# KiCad board jamboard.kicad_pcb (continued)
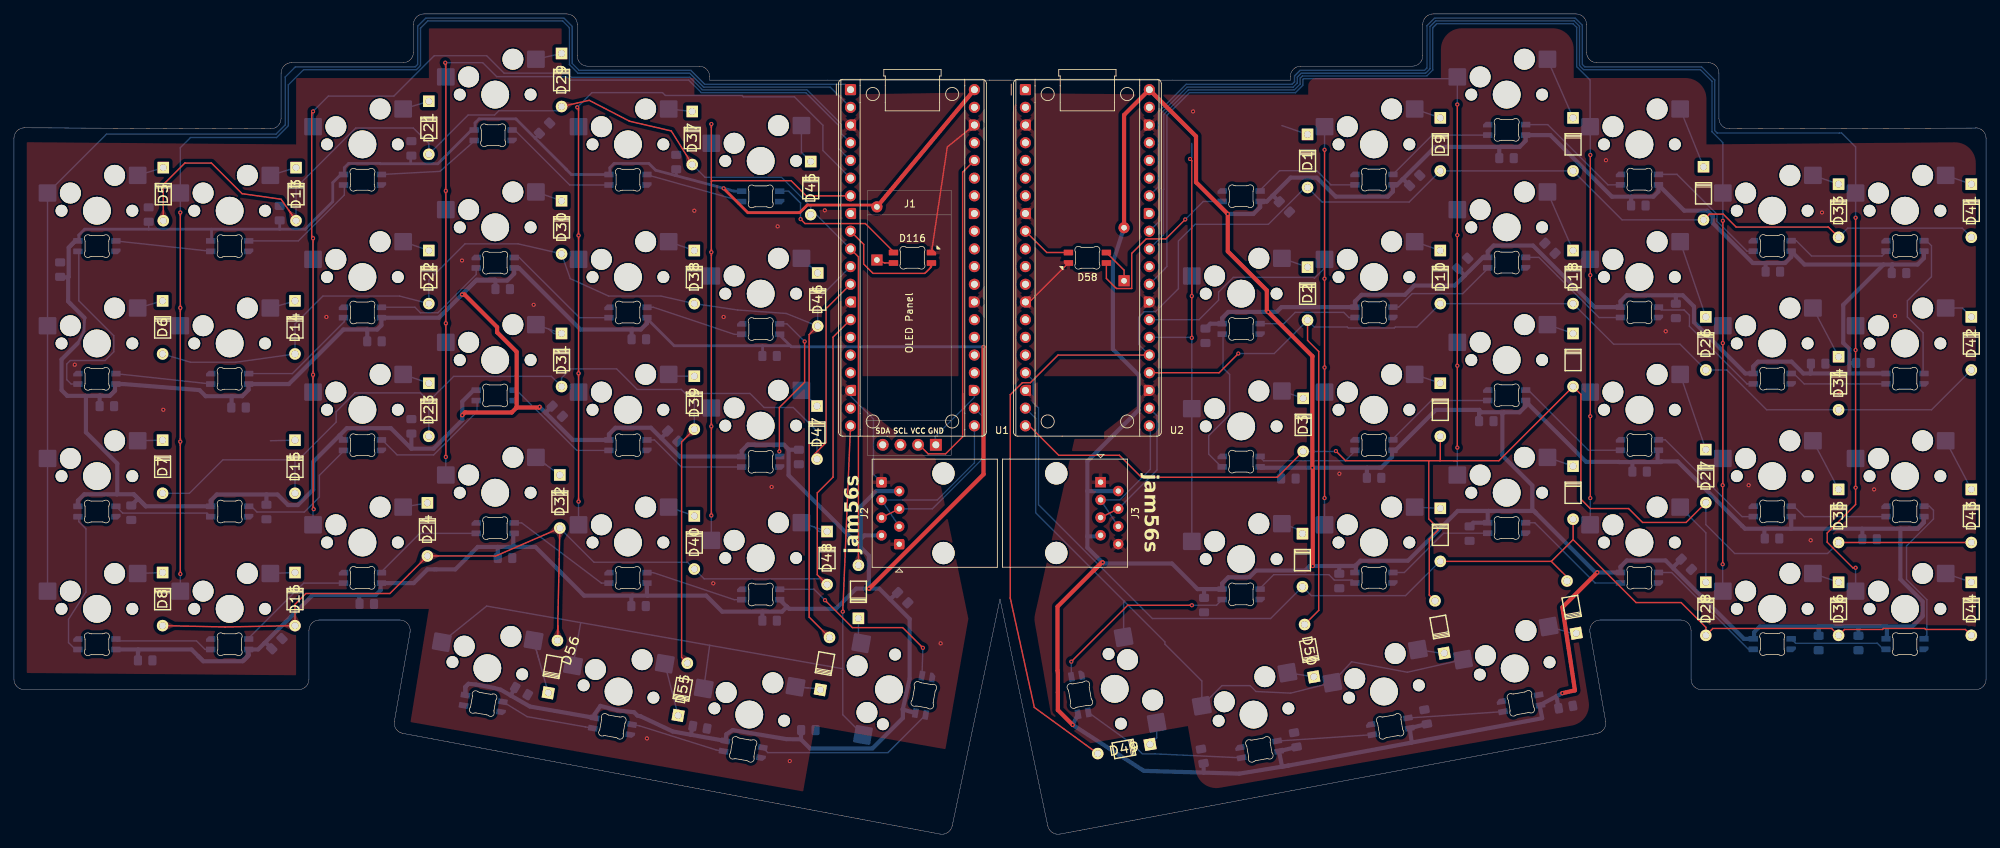
[diagram p0: board, top side]
## Nets (continued)
R_MATRIX ROW 3: D4.1 D12.1 D20.1 D28.1 D36.1 D44.1 D52.1 U2.17
Net-(D1-A): D1.2
Net-(D2-A): D2.2 S2.2
Net-(D3-A): D3.2 S3.2
Net-(D4-A): D4.2 S4.2
Net-(D5-A): D5.2 S5.2
Net-(D6-A): D6.2 S6.2
Net-(D7-A): D7.2 S7.2
Net-(D8-A): D8.2 S8.2
Net-(D9-A): D9.2 S9.2
Net-(D10-A): D10.2 S10.2
Net-(D11-A): D11.2 S11.2
Net-(D12-A): D12.2 S12.2
Net-(D13-A): D13.2 S13.2
Net-(D14-A): D14.2 S14.2
Net-(D15-A): D15.2
Net-(D16-A): D16.2 S16.2
Net-(D17-A): D17.2 S17.2
Net-(D18-A): D18.2 S18.2
Net-(D19-A): D19.2 S19.2
Net-(D20-A): D20.2 S20.2
Net-(D21-A): D21.2 S21.2
Net-(D22-A): D22.2 S22.2
Net-(D23-A): D23.2 S23.2
Net-(D24-A): D24.2 S24.2
Net-(D25-A): D25.2 S25.2
Net-(D26-A): D26.2 S26.2
Net-(D27-A): D27.2 S27.2
Net-(D28-A): D28.2 S28.2
Net-(D29-A): D29.2 S29.2
Net-(D30-A): D30.2 S30.2
Net-(D31-A): D31.2 S31.2
Net-(D32-A): D32.2 S32.2
Net-(D33-A): D33.2 S33.2
Net-(D34-A): D34.2 S34.2
Net-(D35-A): D35.2 S35.2
Net-(D36-A): D36.2 S36.2
Net-(D37-A): D37.2 S37.2
Net-(D38-A): D38.2 S38.2
Net-(D39-A): D39.2 S39.2
Net-(D40-A): D40.2 S40.2
Net-(D41-A): D41.2 S41.2
Net-(D42-A): D42.2 S42.2
Net-(D43-A): D43.2 S43.2
Net-(D44-A): D44.2 S44.2
Net-(D45-A): D45.2 S45.2
Net-(D46-A): D46.2 S46.2
Net-(D47-A): D47.2 S47.2
Net-(D48-A): D48.2 S48.2
Net-(D49-A): D49.2 S49.2
Net-(D50-A): D50.2 S50.2
Net-(D51-A): D51.2 S51.2
Net-(D52-A): D52.2 S52.2
Net-(D53-A): D53.2 S53.2
Net-(D54-A): D54.2 S54.2
Net-(D55-A): D55.2 S55.2
Net-(D56-A): D56.2 S56.2
Net-(D57-K): D57.1 D58.1
Net-(D58-DOUT): D58.2 D64.3
Net-(D59-DIN): D59.3 D67.2
Net-(D59-DOUT): D59.2 D68.3
Net-(D60-DIN): D60.3 D69.2
Net-(D60-DOUT): D60.2 D61.3
Net-(D61-DOUT): D61.2 D70.3
Net-(D62-DIN): D62.3 D71.2
Net-(D62-DOUT): D62.2 D63.3
Net-(D63-DOUT): D63.2 D72.3
Net-(D64-DOUT): D64.2 D73.3
Net-(D65-DIN): D65.3 D74.2
Net-(D65-DOUT): D65.2 D66.3
Net-(D66-DOUT): D66.2 D75.3
Net-(D67-DIN): D67.3 D76.2
Net-(D68-DOUT): D68.2 D77.3
Net-(D69-DIN): D69.3 D78.2
Net-(D70-DOUT): D70.2 D79.3
Net-(D71-DIN): D71.3 D80.2
Net-(D72-DOUT): D72.2 D81.3
Net-(D73-DOUT): D73.2 D82.3
Net-(D74-DIN): D74.3 D83.2
Net-(D75-DOUT): D75.2 D84.3
Net-(D76-DIN): D76.3 D85.2
Net-(D77-DOUT): D77.2 D86.3
Net-(D78-DIN): D78.3 D87.2
Net-(D79-DOUT): D79.2 D88.3
Net-(D80-DIN): D80.3 D89.2
Net-(D81-DOUT): D81.2 D90.3
Net-(D82-DOUT): D82.2 D92.3
Net-(D83-DIN): D83.3 D93.2
Net-(D84-DOUT): D84.2 D94.3
Net-(D85-DIN): D85.3 D95.2
Net-(D87-DIN): D87.3 D96.2
Net-(D88-DOUT): D88.2 D97.3
Net-(D89-DIN): D89.3 D98.2
Net-(D90-DOUT): D90.2 D99.3
Net-(D100-DIN): D100.3 D109.2
Net-(D100-DOUT): D91.3 D100.2
Net-(D101-DIN): D92.2 D101.3
Net-(D101-DOUT): D101.2 D110.3
Net-(D102-DIN): D102.3 D111.2
Net-(D102-DOUT): D93.3 D102.2
Net-(D103-DIN): D94.2 D103.3
Net-(D103-DOUT): D103.2 D112.3
Net-(D104-DIN): D104.3 D113.2
Net-(D104-DOUT): D95.3 D104.2
Net-(D105-DIN): D105.3 D116.2
Net-(D105-DOUT): D96.3 D105.2
Net-(D106-DIN): D97.2 D106.3
Net-(D106-DOUT): D106.2 D107.3
Net-(D107-DOUT): D98.3 D107.2
Net-(D108-DIN): D99.2 D108.3
Net-(D108-DOUT): D108.2 D114.3
Net-(D109-DIN): D109.3 D114.2
Net-(D110-DOUT): D110.2 D111.3
Net-(D112-DOUT): D112.2 D113.3
Net-(D115-K): D115.1 D116.1

Pads without a net: D86 2; D91 2; J1 3 4; U1 15 16 17 19 24 25 26 27 29 30 31 32 33 34 35 37 39; U2 1 2 4 5 6 7 10 11 12 14 15 16 30 33 35 37 39

## Via types
v1: diameter 0.6, hole 0.3, Top to Bottom, 92 vias

## Routing (per net, layer and track width the routed paths; a pad name or vN(x,y) marks a point on that pad's centre or on a via; arc(x,y) is an arc through that point)
+3V3: length 50.4
  Top w0.2: 136.13,60.83 136.13,63.23 ; 136.13,63.23 136.13,95.01 137.82,96.7 ; 136.13,63.23 136.13,57.03 133.68,54.58 131.18,54.58 130.03,55.73
+5V: length 1749.4
  Top w0.4: v1(101.83,92.7) 101.83,92.68 105.31,89.2 112.74,89.2 113.83,90.29 123.57,90.29 D115.2
  Top w0.6: v1(139.13,69.93) 139.13,51.64 122.72,35.23 v1(122.68,35.23) ; v1(227.19,37.54) 222.19,32.54 223.99,20.63 v1(222.19,20.23) ; 154.95,37.85 149.75,32.65 149.75,23.44 149.79,23.13 149.79,17.8 v1(151.92,15.68) ; 154.95,37.85 156.1,38.99 v1(156.23,38.99) ; 154.95,37.85 155.94,38.84 ; D57.2 159.29,103.23 U2.40 169.62,100.16 169.62,93.57 v1(174.18,89.01) 174.18,83.65 179.78,78.04 179.78,75.14 v1(179.98,74.94) 186.32,68.6 v1(186.32,52.59) ; v1(64.3,77.45) 64.66,77.45 69.33,72.78 69.33,72.03 72.13,69.23 72.13,61.23 ; 72.13,61.23 75.33,61.23 v1(75.43,61.33) ; 72.13,61.23 71.42,60.52 64.72,60.52 v1(64.33,60.13) ; 186.37,52.53 v1(186.37,38.48) ; U1.40 D115.2
  Bottom w0.2: 19.33,88.09 19.33,86.83 ; 254.99,45.54 D103.1
  Bottom w0.4: 94.93,94.53 v1(101.83,92.7) 103.35,92.29 104.56,92.29 ; 94.93,94.53 95.03,94.63 95.03,95.6 ; 94.93,94.53 92.08,95.29 91.1,96.27 86.12,96.27 85.51,95.66 85.51,94.67 79.99,94.67 79.23,95.43 79.23,95.46 74.8,99.89 ; 46.92,94.67 45.75,93.51 45.75,90.79 41.79,86.83 38.13,86.83 ; 46.92,94.67 D78.1 ; 46.92,94.67 47.41,94.67 47.41,95.66 48.02,96.27 52.53,96.27 52.58,96.22 56.93,96.22 ; 56.93,96.22 60.83,96.22 65.67,101.07 66.16,101.07 66.16,102.08 66.75,102.66 72.03,102.66 74.8,99.89 ; 56.93,96.22 56.93,97.17 ; 28.33,86.83 10.14,86.83 9.31,85.99 9.31,85.15 ; 28.33,86.83 28.36,86.8 28.36,85.15 ; 28.33,86.83 38.13,86.83 ; 74.8,99.89 74.8,99.89 75.45,100.54 ; 90.71,74.12 94.73,70.1 107.43,70.1 ; 111.4,70.1 109.76,71.74 ; 111.4,70.1 111.54,69.96 139.1,69.96 v1(139.13,69.93) ; 111.4,70.1 107.43,70.1 ; 107.43,70.1 107.43,68.57 ; 10.15,74.09 10.05,72.17 9.13,70.43 ; 38.13,86.83 38.13,87.77
  Bottom w0.6: 64.78,21.11 D91.1 64.78,21.11 ; 64.78,21.11 65.23,21.57 ; 64.78,21.11 65.23,21.57 ; 26.44,25.54 27.03,24.95 ; 26.44,25.54 27.18,24.8 32.81,24.8 33.68,25.68 ; 26.44,25.54 25.48,26.5 17.83,26.5 ; C7.1 12.29,62.94 12.33,62.98 ; 127.56,17.98 128.53,22.33 128.53,30.87 124.17,35.23 v1(122.68,35.23) ; 127.56,17.98 127.53,17.88 D114.1 ; 127.56,17.98 127.56,16.66 123.19,12.29 114.24,12.29 112.93,13.6 ; 238.15,38.11 238.15,38.38 C49.1 ; 238.15,38.11 236.99,39.28 231.44,39.28 230.52,38.36 D95.1 v1(227.19,37.54) 226.94,37.54 218.32,46.17 ; 238.15,38.11 248.24,28.02 D104.1 ; 106.28,55.89 105.31,55.89 ; 106.28,55.89 110.37,55.89 ; 106.28,55.89 105.24,55.89 ; 105.31,55.89 110.5,55.89 111.22,55.17 ; 105.31,55.89 104.43,55.01 104.43,54.19 ; 57.03,55.32 60.23,55.32 64.33,59.43 v1(64.33,60.13) 64.33,62.08 65.97,63.72 66.46,63.72 ; 57.03,55.32 C16.1 ; 57.03,55.32 54.09,58.27 47.77,58.27 46.73,57.23 ; 257.77,66.12 D111.1 ; 257.77,66.12 256.77,66.12 255.08,67.81 250.26,67.81 249.57,67.13 D102.1 248.44,66.12 241.07,73.49 241.07,75.73 239.46,77.34 238.37,77.34 ; 257.77,66.12 257.86,66.2 C36.1 ; 210.24,60.85 210.27,60.89 204.03,60.89 198.24,55.09 197.75,55.09 197.75,54.15 196.19,52.59 194.17,52.59 ; 210.24,60.85 210.24,59.53 ; 210.24,60.85 210.55,60.54 213.82,60.54 ; 112.93,13.6 C26.1 ; 112.93,13.6 110.83,13.63 103.13,14.93 102.23,14.33 D109.1 97.13,14.26 ; 14.78,48.78 10.09,48.78 9.18,47.87 D62.1 9.18,47.62 ; 14.78,48.78 17.2,48.78 ; 14.78,48.78 14.83,48.83 14.83,53.18 10.33,57.68 10.33,62.85 10.28,62.9 ; 238.37,77.34 238.47,77.24 C37.1 ; 238.37,77.34 231.4,77.34 230.52,76.46 D93.1 226.81,75.64 217.97,84.48 212.33,84.48 211.47,83.63 D83.1 210.8,82.79 208.21,80.2 ; 10.28,62.9 13.76,62.9 14.51,63.65 ; 10.28,62.9 7.66,62.9 6.83,63.73 6.83,68.13 9.13,70.43 ; C46.1 265.24,43.77 265.18,43.83 ; 270.72,43.83 273.15,43.83 ; 270.72,43.83 271.92,43.83 ; 270.72,43.83 265.18,43.83 ; 270.72,43.83 270.69,43.8 270.69,36.59 273.89,33.38 273.89,31.28 272.4,29.79 268.69,29.79 268.63,29.85 ; 273.15,43.83 274.07,44.75 D112.1 ; 273.15,43.83 271.92,43.83 ; 273.15,43.83 273.95,44.62 ; 272.9,43.82 272.89,43.83 271.92,43.83 ; 71.29,19.89 74.03,18.31 83.44,16.65 ; 71.29,19.89 C28.1 ; 71.29,19.89 69.83,20.73 68.88,20.98 66.28,21.48 65.23,21.57 ; 90.93,34.23 99.33,34.23 101.63,31.93 107.43,31.93 ; 90.93,34.23 88.73,34.23 ; 90.93,34.23 90.83,34.33 D99.1 ; 124.49,42.88 122.03,42.88 121.53,42.38 ; 154.02,49.23 155.07,49.23 155.09,49.24 J3.2 ; 154.02,49.23 154.02,53.52 161.43,60.93 161.43,65.85 157.69,69.59 157.69,82.06 D57.2 ; 154.02,49.23 154.02,42.73 ; 97.13,14.26 94.53,14.73 89.93,16.9 89.48,16.99 88.99,17.48 86.58,17.76 84.16,18.4 83.32,17.19 D100.1 ; 97.13,14.26 C27.1 ; 33.68,25.68 33.15,25.15 32.99,25.04 32.99,24.95 33.56,25.52 33.56,26.5 35.04,26.5 35.95,27.41 ; 33.68,25.68 D72.1 ; C44.1 232.24,53.39 232.27,53.43 ; 154.02,42.73 154.02,41.13 156.16,38.99 v1(156.23,38.99) 156.38,38.84 166.17,38.84 169.84,35.16 170.77,35.16 ; 154.02,42.73 155.76,42.73 J3.7 ; 76.33,60.43 v1(75.43,61.33) ; 76.33,60.43 76.33,60.53 C15.1 ; 76.33,60.43 80.19,56.57 D98.1 85.38,57.39 86.32,58.33 91.4,58.33 92.92,56.81 ; 14.51,63.65 14.51,64.6 15.71,64.6 24.71,63.89 26.63,63.73 27.51,62.85 31.23,62.85 ; 14.51,63.65 13.83,62.98 ; 9.31,85.15 8.82,85.15 ; 8.82,85.15 D60.1 ; 8.82,85.15 8.11,84.44 ; 8.82,85.15 7.86,84.19 7.86,80.01 7.78,79.93 ; 235.85,55.09 235.85,53.49 ; 235.85,53.49 236.42,53.49 ; 235.85,53.49 235.79,53.43 ; 35.95,27.41 42.87,34.33 49.53,34.33 ; 35.95,27.41 36.18,27.41 C20.1 ; 268.27,81.75 262.49,75.97 262.49,70.51 263.37,69.63 263.37,67.53 ; 268.27,81.75 256.94,81.75 D101.1 255.02,82.85 254.15,81.97 251.27,81.97 ; 268.27,81.75 269.57,81.75 ; 236.42,53.49 236.34,53.4 230.35,53.4 230.32,53.43 225.61,53.43 216.8,62.24 216.8,61.54 ; 236.42,53.49 238.73,53.49 248,44.22 248,44.22 248.39,43.83 251.17,43.83 ; C34.1 269.46,81.74 269.47,81.75 269.57,81.75 ; D71.1 28.23,47.87 29.11,48.74 36.23,48.74 ; 264.67,29.65 C47.1 ; 182.07,52.59 v1(186.32,52.59) 194.17,52.59 ; 182.07,52.59 178.95,52.59 D66.1 ; 182.07,52.59 181.84,52.35 C41.1 ; 88.73,72.43 89.96,72.43 90.83,73.3 D97.1 ; 88.73,72.43 81.3,72.43 72.46,81.27 71.78,81.27 71.78,80.45 70.79,79.45 66.3,79.45 v1(64.3,77.45) ; 88.73,72.43 88.63,72.33 C11.1 ; D80.1 46.73,57.12 46.73,57.23 ; 69.43,41.22 66.55,41.22 63.33,38 59.33,38 57.36,36.02 52.61,36.02 52.61,35.01 51.93,34.33 49.53,34.33 ; 69.43,41.22 71.83,41.22 ; 69.43,41.22 C22.1 ; 111.22,55.17 C13.1 ; 111.22,55.17 111.16,55.1 111.16,51.5 121.53,41.13 ; 31.23,62.85 31.23,61.63 ; 31.23,62.85 32.76,62.85 33.68,63.78 D70.1 ; 179.78,90.81 180.59,91.63 ; 179.78,90.81 D64.1 178.82,89.99 177.84,89.01 v1(174.18,89.01) ; 179.78,90.81 178.7,90.81 ; 180.59,91.63 180.69,91.63 C29.1 ; 180.59,91.63 183.19,94.23 186.94,94.23 189.67,91.5 197.14,91.5 197.87,92.23 D73.1 ; 268.75,28.02 268.75,29.73 268.63,29.85 ; 18.92,47.05 28.36,47.05 28.36,47.75 ; 18.92,47.05 17.2,48.78 ; 18.92,47.05 17.84,48.13 ; 110.92,32.64 110.22,31.93 107.43,31.93 ; 110.92,32.64 110.89,32.64 109.88,33.64 ; 110.92,32.64 111.23,32.33 117.93,32.33 120.83,35.23 v1(122.68,35.23) ; 17.83,26.5 17.83,26.13 17.79,26.09 C19.1 ; 17.83,26.5 D63.1 ; 232.07,91.5 229.29,91.5 220.46,100.34 D82.1 216.92,99.52 216.05,98.64 213.27,98.64 ; 232.07,91.5 232.06,91.48 C32.1 ; 232.07,91.5 235.24,91.5 235.97,92.23 D92.1 239.67,89.5 242.99,89.5 243.77,88.72 243.77,87.73 249.52,81.97 251.27,81.97 ; 17.84,48.13 17.8,48.13 C18.1 ; 17.84,48.13 17.2,48.78 ; 211.57,46.38 207.17,46.38 200.03,39.24 193.2,39.24 192.55,38.59 ; 211.57,46.38 211.47,46.28 D85.1 209.4,44.69 C50.1 ; 211.57,46.38 218.11,46.38 218.32,46.17 ; 251.27,81.97 251.36,81.89 C33.1 ; D103.1 255.02,43.86 254.99,43.83 ; 251.17,43.83 254.99,43.83 ; 251.17,43.83 251.17,42.49 251.21,42.45 251.24,42.45 ; 254.99,43.83 265.18,43.83 ; 268.63,29.85 258.97,29.85 ; 192.55,38.59 192.55,37.54 ; 192.55,38.59 192.44,38.48 ; 7.78,79.93 7.78,76.46 10.15,74.09 ; 7.78,79.93 6.63,79.93 ; 199.25,93.97 203.92,98.64 213.27,98.64 ; 199.25,93.97 198.47,93.19 197.75,93.19 ; 199.25,93.97 199.38,93.97 C30.1 ; 258.97,29.85 258.92,29.79 250.52,29.79 249.7,28.96 249.7,28.02 ; 258.97,29.85 C48.1 ; 170.72,8.82 175.82,8.67 182.87,9.83 ; 170.72,8.82 C56.1 ; 170.72,8.82 162.12,9.08 v1(151.92,15.68) D59.1 ; 88.73,34.23 88.59,34.09 C23.1 ; 88.73,34.23 81.81,34.23 74.82,41.22 71.83,41.22 ; 33.56,64.6 39.45,64.6 47.28,72.43 50.63,72.43 ; 107.43,31.93 107.39,31.89 C24.1 ; 190.27,38.48 192.44,38.48 ; 190.27,38.48 185.94,38.48 185.29,37.83 178.24,37.83 177.27,36.86 174.25,36.86 173.37,35.98 D67.1 ; 190.27,38.48 192.44,38.48 ; 190.27,38.48 190.17,38.38 C51.1 ; 208.21,80.2 208.14,80.2 C39.1 ; 208.21,80.2 206.75,78.74 200.94,78.74 199.61,77.41 193.37,77.41 192.42,76.46 D74.1 181.89,75.64 181.2,74.95 174.24,74.95 173.38,74.08 D65.1 171.67,73.26 C40.1 ; 170.77,35.16 173.5,35.16 ; 170.77,35.16 C52.1 ; 46.73,57.23 42.93,53.43 42.93,49.43 40.73,47.23 39.33,47.23 37.82,48.74 36.23,48.74 ; 182.87,9.83 181.97,9.66 D68.1 C55.1 ; 182.87,9.83 200.57,13.14 ; 50.63,72.43 52.13,72.43 52.73,73.03 D79.1 60.97,74.12 66.43,79.58 69.03,79.58 69.09,79.52 C10.1 ; 50.63,72.43 50.69,72.37 C9.1 ; 221.33,19.77 C53.1 ; 221.33,19.77 v1(222.19,20.23) ; 221.33,19.77 218.92,18.48 219.29,16.63 200.57,13.14 ; 36.23,48.74 C17.1 ; 121.53,41.13 121.53,42.38 ; 121.53,41.13 122.68,39.98 v1(122.68,35.23) ; 121.53,42.38 121.53,47.03 123.73,49.23 J2.7 ; C31.1 213.14,98.51 213.27,98.64 ; 218.32,46.17 217.88,46.61 217.88,50.04 213.57,54.34 213.57,60.3 213.82,60.54 ; 71.66,43.17 71.66,41.39 71.83,41.22 ; 263.37,67.53 263.37,66.23 ; 263.37,67.53 263.47,67.63 C35.1 ; 213.82,60.54 216.05,60.54 216.92,61.42 D84.1 ; 194.17,52.59 194.14,52.55 C42.1 ; 200.57,13.14 D77.1 C54.1 ; 93.8,57.76 92.92,56.88 92.92,56.81 ; D110.1 274.07,82.68 273.15,81.75 269.57,81.75 ; 104.56,54.19 95.54,54.19 92.92,56.81 ; 125.7,33.7 126.7,34.56 ; 49.53,34.33 C21.1 ; 258.97,29.65 258.97,28.62
GND: length 54.6
  Top w0.2: D116.4 133.93,98.63 U1.38 ; U2.13 145.71,76.38 D58.4
  Bottom w0.2: 90.83,32.77 90.69,32.63 ; U1.18 120.04,62.87 123.33,59.58 123.33,51.66 124.49,50.5 ; 132.57,55.73 132.36,55.73 132.22,55.88 132.22,57.09 137.82,62.7 137.82,63.68
  vias: v1(8.73,67.38) v1(21.43,60.9) v1(44.83,74.23) v1(64.29,82.34) v1(74.58,75.98) v1(90.83,13.73) v1(97.63,89.48) v1(100.35,35.99) v1(101.83,74.23) v1(108.73,49.83) v1(109.58,87.23) v1(111.33,10.48) v1(116.36,89.54) v1(132.98,27.38) v1(169.19,103.73) v1(190.19,51.73) v1(228.44,96.73) v1(237.02,72.18) v1(248.92,50.08) v1(257.82,42.18) v1(259.44,89.23) v1(261.94,63.23) v1(266.92,49.48) v1(269.92,74.38)
LED_DATA_L: length 18.3
  Top w0.2: 130.88,80.63 131.53,81.28 131.53,81.98 ; U1.9 121.93,84.65 121.93,81.83 123.28,80.49 130.7,80.49 131.66,81.45 D116.3
LED_DATA_R: length 7.4
  Top w0.2: D58.3 148.2,83.48 U2.9
LinkA_L: length 25.6
  Bottom w0.2: 127.1,44.32 127.03,44.25 J2.3 124.49,47.96 132.5,47.96 137.82,53.29 U1.21
LinkA_R: length 19.8
  Bottom w0.2: J3.6 J3.3 158.68,47.97 163.07,52.37 163.07,58.45 U2.21
LinkB_L: length 25.5
  Top w0.2: J2.5 124.49,45.42
  Bottom w0.2: U1.22 138.92,60.04 138.92,53.82 131.79,46.69 J2.5
LinkB_R: length 20
  Top w0.2: J3.5 J3.4
  Bottom w0.2: U2.22 164.02,60.04 164.02,52.26 J3.4
MATRIX COL 0: length 197.4
  Bottom w0.2: 4.82,34.87 S5.1 13.28,100.48 37.62,100.48 38.93,101.8 38.93,108.68 40.38,110.13 57.58,110.13 57.93,110.48 57.93,115.98 59.08,117.13 78.92,117.13 80.11,115.95 80.11,110.61 81.09,109.63 97.13,109.63 99.13,107.63 119.27,107.63 U1.1
MATRIX COL 1: length 187.2
  Top w0.2: v1(23.87,37.33) v1(23.87,56.33) v1(23.87,75.53) v1(23.87,89.23)
  Bottom w0.2: 23.87,53.92 v1(23.87,56.33) ; v1(23.87,89.23) 23.87,98.52 25.33,99.98 37.68,99.98 39.38,101.68 39.38,107.54 41.57,109.73 57.75,109.73 58.33,110.32 58.33,115.68 59.38,116.73 78.72,116.73 79.71,115.75 79.71,110.45 80.92,109.23 96.96,109.23 98.96,107.23 117.13,107.23 U1.2 ; S16.1 v1(23.87,37.33) ; S14.1 v1(23.87,75.53)
MATRIX COL 2: length 153.7
  Top w0.2: v1(43.01,46.64) 42.92,46.73 v1(42.92,65.93) v1(42.92,85.53) 42.73,85.72 42.73,103.55 v1(42.92,103.74)
  Bottom w0.2: U1.4 118.73,100.55 118.73,101.9 113.8,106.83 98.8,106.83 97,108.63 80,108.63 79.4,109.23 70.33,109.23 67.83,111.73 60.31,111.73 54.52,105.93 45.12,105.93 v1(42.92,103.74) 42.92,101.54 ; v1(43.01,46.64) 42.92,46.55 S24.1 ; S22.1 v1(42.92,85.53) ; S23.1 v1(42.92,65.93)
MATRIX COL 3: length 132.6
  Top w0.2: v1(61.97,54.13) v1(61.97,73.33) v1(61.97,92.33) 61.97,110.65 v1(61.89,110.73)
  Bottom w0.2: S32.1 v1(61.97,54.13) ; S29.1 v1(61.89,110.73) 67.27,110.73 69.27,108.73 79.33,108.73 79.83,108.23 96.83,108.23 98.63,106.43 113.63,106.43 118.33,101.73 118.33,98.41 U1.5 ; S31.1 v1(61.97,73.33) ; S30.1 v1(61.97,92.33)
MATRIX COL 4: length 116.3
  Top w0.2: v1(81.02,47.73) v1(81.02,66.13) v1(81.02,85.93) 81.01,85.94 81.01,104.15 v1(80.83,104.33)
  Bottom w0.2: U1.6 116.08,98.12 116.08,101.75 112,105.83 104.67,105.83 104.47,106.03 93.47,106.03 93.07,106.43 82.93,106.43 v1(80.83,104.33) 81.02,104.14 81.02,101.54 ; S39.1 v1(81.02,66.13) ; 81.02,82.49 v1(81.02,85.93) ; 81.02,44.39 v1(81.02,47.73)
MATRIX COL 5: length 89.5
  Top w0.2: v1(100.07,45.73) v1(100.07,58.53) v1(100.07,83.53) 100.07,93.71 ; v1(100.07,101.93) 100.07,93.71 ; 100.07,93.71 100.15,93.79 111.52,93.79 113.69,91.62 U1.7
  Bottom w0.2: 100.07,99.16 v1(100.07,101.93) ; S48.1 v1(100.07,45.73) ; S47.1 v1(100.07,58.53) ; v1(100.07,83.53) S46.1
MATRIX COL 6: length 118.3
  Top w0.2: v1(118.93,31.93) U1.20
  Bottom w0.2: 99.83,27.09 118.93,23.73 ; 99.83,27.09 S54.1 ; 99.83,27.09 81.33,30.35 ; 118.93,23.73 v1(118.93,31.93) ; 118.93,23.73 118.93,17.13 S53.1 ; 81.33,30.35 67.83,32.73 S56.1 ; 81.33,30.35 S55.1
MATRIX ROW 0: length 179.3
  Top w0.2: D37.1 94.33,100.93 88.33,102.33 82.53,105.33 D29.1 ; D53.1 121.18,82.86 U1.10 ; 39.41,89.59 D13.1 39.41,89.59 ; 39.41,89.59 38.33,91.13 32.73,91.93 28.33,96.33 24.53,96.33 21.43,93.23 D5.1
  Bottom w0.2: D37.1 99.16,94.28 110.14,94.28 114.33,90.09 D45.1 115.12,88.92 U1.10 ; D29.1 77.97,103.83 69.58,103.83 68.97,103.22 65.17,103.22 D21.1 59.53,99.13 57.31,101.35 49.04,101.35 40.48,92.79 40.48,88.05
MATRIX ROW 1: length 166.6
  Top w0.2: D46.1 114.11,71.69 114.11,31.16 117.03,28.23
  Bottom w0.2: D30.1 79.83,79.73 85.33,77.23 92.83,77.23 D38.1 103.83,75.23 110.83,74.73 D46.1 115.33,76.75 U1.11 ; D30.1 72.33,84.73 64.73,84.73 59.53,79.53 D22.1 55.33,77.23 44.33,77.23 40.33,73.23 D14.1 31.83,67.73 25.33,67.73 D6.1 ; D30.1 78.58,83.29
MATRIX ROW 2: length 190.3
  Top w0.2: D39.1 95.81,56.28 95.81,25.36 D55.1 ; 114.83,53.23 114.83,54.5 116.53,56.2 116.53,75.41 U1.12
  Bottom w0.2: D7.1 25.18,48.92 29.99,53.72 40.33,53.72 ; D23.1 59.53,62.13 ; 59.53,62.13 58.33,63.33 48.93,63.33 46.23,60.63 46.23,59.13 40.83,53.72 40.33,53.72 ; 59.53,62.13 63.11,65.7 77.12,65.7 78.58,64.24 78.58,65.48 79.88,66.78 86.48,66.78 89.43,63.83 95.75,63.83 96.33,63.25 97.63,63.25 ; 97.63,63.25 105.61,63.25 107.63,61.23 111.83,61.23 115.23,57.83 D47.1 ; 97.63,63.25 D39.1 ; D15.1 40.33,53.72
MATRIX ROW 3: length 166.4
  Top w0.2: D8.1 30.33,29.73 D16.1 40.33,32.98 41.88,34.53 53.94,34.53 D24.1 69.13,39.92 D32.1 D56.1 ; D56.1 78.04,29.87 D56.1 ; D48.1 115.28,37.22 115.28,48.98 117.53,51.23 117.53,71.33 U1.14
  Bottom w0.2: D32.1 83.23,39.02 96.66,39.02 D40.1 99.04,36.64 115.86,36.64 D48.1
R_MATRIX COL 0: length 66.4
  Top w0.2: v1(168.77,96.91) 169.01,96.66 v1(169.01,77.23) v1(169.01,71.23)
  Bottom w0.2: v1(169.01,77.23) S2.1 ; 169.01,99.16 169.01,97.15 v1(168.77,96.91) ; U2.26 168.94,71.3 v1(169.01,71.23) S3.1 S4.1
R_MATRIX COL 1: length 93.7
  Top w0.2: v1(188.06,98.23) v1(188.06,79.73) v1(188.06,66.98) v1(188.06,48.23)
  Bottom w0.2: U2.27 170.05,73.84 172.86,76.64 172.86,77.8 174.97,79.92 186.49,79.92 186.61,79.79 188.06,81.24 S10.1 v1(188.06,79.73) ; S11.1 v1(188.06,66.98) ; S9.1 v1(188.06,98.23) ; S12.1 v1(188.06,48.23)
R_MATRIX COL 2: length 133.9
  Top w0.2: v1(207.11,55.48) v1(207.11,67.23) v1(207.11,85.98) v1(207.11,104.73)
  Bottom w0.2: S18.1 v1(207.11,85.98) ; U2.29 165.19,81.19 165.19,81.23 165.44,81.48 165.44,103.18 168.69,106.43 183.9,106.43 184.96,107.48 184.96,108.33 185.06,108.43 206.86,108.43 S17.1 v1(207.11,104.73) ; S20.1 v1(207.11,55.48) ; S19.1 v1(207.11,67.23)
R_MATRIX COL 3: length 166.8
  Top w0.2: v1(226.19,97.48) v1(226.19,80.23) v1(226.19,59.98) v1(226.19,48.23)
  Bottom w0.2: S25.1 226.16,108.24 224.26,110.15 224.26,115.79 223.71,116.33 204.18,116.33 203.59,115.75 203.59,109.69 202.74,108.83 184.89,108.83 184.56,108.49 184.56,107.65 183.74,106.83 168.53,106.83 164.99,103.3 164.99,92.56 164.94,92.51 164.94,86.02 U2.31 ; 226.19,63.34 v1(226.19,59.98) ; 226.19,82.39 v1(226.19,80.23) ; 226.19,101.44 v1(226.19,97.48) ; 226.19,44.29 v1(226.19,48.23)
R_MATRIX COL 4: length 193.4
  Top w0.2: v1(245.19,38.73) v1(245.19,50.08) 245.21,50.1 v1(245.21,70.48) v1(245.21,88.03)
  Bottom w0.2: v1(245.21,88.03) S33.1 245.21,99.26 243.66,100.82 243.66,108.06 241.99,109.73 225.24,109.73 224.66,110.32 224.66,115.95 223.88,116.73 204.01,116.73 203.19,115.91 203.19,109.85 202.57,109.23 184.73,109.23 184.16,108.66 184.16,107.82 183.57,107.23 168.36,107.23 164.59,103.46 164.59,92.72 164.44,92.57 164.44,88.06 U2.32 ; v1(245.19,50.08) 245.21,50.1 S35.1 ; 245.19,34.79 v1(245.19,38.73) ; S34.1 v1(245.21,70.48)
R_MATRIX COL 5: length 212.5
  Top w0.2: v1(264.26,88.48) v1(264.26,69.48) v1(264.26,49.73) 264.26,47.3 260.19,43.23 260.19,41.89 263.86,38.23 v1(264.26,38.23)
  Bottom w0.2: S44.1 v1(264.26,38.23) ; S43.1 v1(264.26,49.73) ; U2.34 164.19,92.89 164.19,103.63 168.19,107.63 183.4,107.63 183.76,107.98 183.76,108.83 184.56,109.63 202.4,109.63 202.76,109.98 202.76,116.04 203.84,117.13 224.04,117.13 225.06,116.12 225.06,110.48 225.41,110.13 242.16,110.13 244.06,108.23 244.06,100.98 244.41,100.63 262.27,100.63 264.26,98.63 v1(264.26,88.48) ; S42.1 v1(264.26,69.48)
R_MATRIX COL 6: length 100.5
  Bottom w0.2: S52.1 199.94,23.23 191.94,24.73 S51.1 183.19,20.23 178.22,20.47 177.38,21.31 173.35,21.31 S50.1 170.45,21.97 165.16,27.27 165.16,27.58 159.29,33.45 ; 170.41,19.61 170.41,18.43 ; S49.1 159.23,33.38 159.29,33.45 ; 159.29,33.45 146.61,46.12 146.61,59.67 U2.19
R_MATRIX ROW 0: length 224.5
  Top w0.2: D25.1 243.27,89 245.27,89 247.13,87.14 260.36,87.14 D33.1 ; D49.1 146.42,18.18 142.97,33.88 142.97,63.06 144.69,64.79 145.85,64.79 149.82,68.76 U2.25
  Bottom w0.2: D33.1 263.13,86.98 279.56,86.98 D41.1 ; D25.1 230.75,88.17 D17.1 D9.1 200.21,90.73 187.71,90.73 D1.1 185.29,92.81 180.01,87.53 169.49,87.53 167.09,85.13 167.09,78.29 163.79,74.99 162.2,74.99 161.39,74.18 161.39,70.29 U2.25
R_MATRIX ROW 1: length 176.8
  Top w0.2: U2.24 172.93,66.22 v1(175.69,68.98) ; D2.1 185.62,70.87 187.22,69.28 187.22,32.1 D50.1
  Bottom w0.2: D42.1 275.16,60.9 D34.1 251.5,60.9 245.79,66.62 D26.1 239.07,70.32 229.54,70.32 D18.1 D10.1 201.32,72.79 198.22,72.79 198.08,72.65 191.47,72.65 191.32,72.79 186.59,72.79 D2.1 180.84,68.98 v1(175.69,68.98)
R_MATRIX ROW 2: length 194.5
  Top w0.2: 206.62,53.6 213.09,53.6 D19.1 224.85,63.11 224.85,48.07 226.19,46.73 231.69,46.73 233.69,44.73 239.94,44.73 D27.1 ; 206.62,53.6 204.62,53.6 ; 206.62,53.6 207.14,53.6 ; D51.1 203.09,34.31 203.09,42.38 204.32,43.61 204.32,43.94 203.02,45.24 203.02,53.6 ; D35.1 D43.1 ; 204.62,53.6 203.02,53.6 ; 204.62,53.6 204.67,53.65 D11.1 ; 203.02,53.6 191.07,53.6 v1(189.69,54.98) ; D3.1 181.28,51.22 161.78,51.22 158.62,54.38 149.92,54.38 145.7,58.6 U2.20
  Bottom w0.2: v1(189.69,54.98) 189.64,54.93 D3.1 ; D27.1 242.77,44.42 246.92,40.28 260.25,40.28 D35.1
R_MATRIX ROW 3: length 180.8
  Top w0.2: 223.73,42.27 220.61,39.14 ; 223.73,42.27 232.77,33.23 239.23,33.23 242.77,29.69 D28.1 243.77,29.51 260.83,29.51 D36.1 262.67,29.37 268.12,29.37 268.27,29.51 274.18,29.51 274.32,29.37 280.02,29.37 D44.1 ; 223.73,42.27 223.72,42.27 D20.1 ; 220.61,39.14 D12.1 ; 220.61,39.14 222.86,36.89 D52.1
  Bottom w0.2: U2.17 146.25,65.11 146.25,61.93 147.02,61.16 147.02,47.28 163.36,30.94 180.33,30.94 D4.1 186.17,34.23 199.69,34.23 204.61,39.14 D12.1
Net-(D1-A): length 3.9
  Bottom w0.2: 181.94,101.7 D1.2
Net-(D2-A): length 3.9
  Bottom w0.2: S2.2 D2.2
Net-(D3-A): length 3.9
  Bottom w0.2: S3.2 185.62,62.33
Net-(D4-A): length 3.9
  Bottom w0.2: S4.2 185.62,43.28
Net-(D5-A): length 3.8
  Bottom w0.2: D5.2 S5.2
Net-(D6-A): length 3.7
  Bottom w0.2: D6.2 S6.2
Net-(D7-A): length 3.6
  Bottom w0.2: S7.2 D7.2
Net-(D8-A): length 3.6
  Bottom w0.2: S8.2 D8.2
Net-(D9-A): length 3.9
  Bottom w0.2: S9.2 D9.2
Net-(D10-A): length 3.9
  Bottom w0.2: S10.2 D10.2
Net-(D11-A): length 3.9
  Bottom w0.2: S11.2 D11.2
Net-(D12-A): length 3.7
  Bottom w0.2: S12.2 D12.2
Net-(D13-A): length 3.8
  Bottom w0.2: D13.2 S13.2
Net-(D14-A): length 3.7
  Bottom w0.2: D14.2 S14.2
Net-(D15-A): length 3.5
  Bottom w0.2: 36.8,56.46 D15.2
Net-(D16-A): length 3.5
  Bottom w0.2: S16.2 D16.2
Net-(D17-A): length 9.2
  Bottom w0.2: D17.2 S17.2
Net-(D18-A): length 9.2
  Bottom w0.2: S18.2 D18.2
Net-(D19-A): length 3.9
  Bottom w0.2: S19.2 D19.2
Net-(D20-A): length 3.9
  Bottom w0.2: D20.2 S20.2
Net-(D21-A): length 3.8
  Bottom w0.2: S21.2 D21.2
Net-(D22-A): length 3.9
  Bottom w0.2: D22.2 S22.2
Net-(D23-A): length 3.9
  Bottom w0.2: D23.2 S23.2
Net-(D24-A): length 3.5
  Bottom w0.2: S24.2 D24.2
Net-(D25-A): length 8.9
  Bottom w0.2: S25.2 D25.2
Net-(D26-A): length 11.4
  Bottom w0.2: D26.2 S26.2
Net-(D27-A): length 11.4
  Bottom w0.2: S27.2 D27.2
Net-(D28-A): length 12.3
  Bottom w0.2: S28.2 242.77,43.25 D28.2
Net-(D29-A): length 3.8
  Bottom w0.2: S29.2 78.58,112.06
Net-(D30-A): length 3.9
  Bottom w0.2: 78.58,90.91 S30.2
Net-(D31-A): length 6
  Bottom w0.2: 76.74,72.49 77.45,71.86 D31.2 ; 76.74,72.49 S31.2 ; 76.74,72.49 78.58,71.86
Net-(D32-A): length 6.1
  Bottom w0.2: 76.38,52.98 D32.2 ; 76.38,52.98 S32.2 76.38,52.98
Net-(D33-A): length 3.9
  Bottom w0.2: D33.2 S33.2
Net-(D34-A): length 7.9
  Bottom w0.2: S34.2 D34.2
Net-(D35-A): length 7.9
  Bottom w0.2: S35.2 D35.2
Net-(D36-A): length 3.9
  Bottom w0.2: D36.2 S36.2
Net-(D37-A): length 3.4
  Bottom w0.2: S37.2 D37.2
Net-(D38-A): length 3.9
  Bottom w0.2: D38.2 S38.2
Net-(D39-A): length 3.8
  Bottom w0.2: D39.2 94.2,65.73 S39.2
Net-(D40-A): length 3.9
  Bottom w0.2: S40.2 D40.2
Net-(D41-A): length 3.9
  Bottom w0.2: S41.2 D41.2
Net-(D42-A): length 4.2
  Bottom w0.2: S42.2 279.6,75.51 D42.2
Net-(D43-A): length 7.9
  Bottom w0.2: S43.2 D43.2
Net-(D44-A): length 3.9
  Bottom w0.2: S44.2 D44.2
Net-(D45-A): length 5.7
  Bottom w0.2: S45.2 113,97.87 D45.2
Net-(D46-A): length 4.7
  Bottom w0.2: D46.2 114.16,81.6 ; 114.16,81.6 113,82.65 114.16,81.6
Net-(D47-A): length 3.2
  Bottom w0.2: D47.2 113,63.67 S47.2
Net-(D48-A): length 6
  Bottom w0.2: S48.2 113,44.7 114.84,44.07 ; D48.2 115.55,43.43 114.84,44.07 ; 114.84,44.07 116.68,43.43
Net-(D49-A): length 3.5
  Bottom w0.2: D49.2 163.97,13.83 S49.2
Net-(D50-A): length 3.9
  Bottom w0.2: 186.55,22.56 182.7,23.17
Net-(D51-A): length 3.9
  Bottom w0.2: 205.31,25.87 S51.2
Net-(D52-A): length 4.3
  Bottom w0.2: S52.2 224.39,28.58
Net-(D53-A): length 3.7
  Bottom w0.2: S53.2 121.57,27.68 121.18,28.07 D53.2
Net-(D54-A): length 6.3
  Bottom w0.2: 113.98,20.99 S54.2 113.98,20.99 ; 113.98,20.99 114.89,20.91 ; 114.89,20.91 115.71,20.73 ; 114.89,20.91 115.81,20.83
Net-(D55-A): length 7.7
  Bottom w0.2: D55.2 95.31,17.03 93.39,24.45 S55.2
Net-(D56-A): length 10.7
  Bottom w0.2: 75.33,25.05 D56.2 ; 75.33,25.05 S56.2 75.33,25.05
Net-(D57-K): length 5.1
  Top w0.2: D57.1 159.29,80.94 D58.1
Net-(D58-DOUT): length 27.6
  Top w0.2: D58.2 156.76,79.75 158.19,78.32 160.39,78.32 160.39,83.37 162.47,85.44 165.28,85.44 v1(168.07,88.23)
  Bottom w0.2: v1(168.07,88.23) 170.66,90.81 D64.3
Net-(D59-DIN): length 27.6
  Top w0.2: 169.13,32.85 v1(169.03,32.85) 159.83,32.85 v1(151.73,24.75)
  Bottom w0.2: D59.3 151.73,22.58 v1(151.73,24.75) ; D67.2 172.56,32.85 v1(169.03,32.85)
Net-(D59-DOUT): length 24
  Bottom w0.2: D68.3 163.72,11.51 161.92,11.51 160.59,12.83 160.58,12.83 D59.2
Net-(D60-DIN): length 13.9
  Bottom w0.2: 28.36,83.65 14.51,85.15
Net-(D60-DOUT): length 28.2
  Bottom w0.2: 9.31,64.6 8.21,64.6 7.58,65.23 7.58,67.48 8.08,67.98 13.08,67.98 14.33,69.23 14.33,71.53 9.31,76.55 9.31,83.65
Net-(D61-DOUT): length 13.9
  Bottom w0.2: 14.51,66.1 28.36,64.6
Net-(D62-DIN): length 14.2
  Bottom w0.2: D62.3 15.61,46.07 27.71,46.07 D71.2
Net-(D62-DOUT): length 21.1
  Bottom w0.2: 9.31,45.55 9.31,44.85 10.33,43.83 10.33,34.73 7.83,30.83 7.83,27.48 8.82,26.5 9.31,26.5
Net-(D63-DOUT): length 14.5
  Bottom w0.2: 28.36,26.5 27.43,26.5 26.2,27.73 14.78,27.73 14.51,28
Net-(D64-DOUT): length 15.9
  Bottom w0.2: 178.7,92.31 181.62,95.23 186.94,95.23 188.98,93.19 192.55,93.19
Net-(D65-DIN): length 14.7
  Bottom w0.2: D74.2 191.57,74.14 190.82,74.89 183.85,74.89 182.23,73.26 178.7,73.26
Net-(D65-DOUT): length 21.4
  Bottom w0.2: 173.27,52.71 171.44,54.54 171.44,57.18 174.44,60.18 174.44,65.98 173.5,66.92 173.5,71.76
Net-(D66-DOUT): length 14.7
  Bottom w0.2: 178.7,54.21 179.33,53.59 191.04,53.59 192.55,55.09
Net-(D67-DIN): length 15.1
  Bottom w0.2: D76.2 192.01,36.45 189.47,36.45 188.69,37.23 180.77,37.23 178.7,35.16
Net-(D68-DOUT): length 13.9
  Bottom w0.2: 181.14,13.34 195.04,14.27
Net-(D69-DIN): length 18
  Bottom w0.2: 47.41,93.17 47.41,91.74 40.82,85.15 33.56,85.15
Net-(D70-DOUT): length 17.5
  Bottom w0.2: 47.41,74.12 47.41,73.55 39.95,66.1 33.56,66.1
Net-(D71-DIN): length 19.7
  Bottom w0.2: 47.41,55.07 43.83,51.5 43.83,48.38 41.68,46.23 34.87,46.23 34.05,47.05 33.56,47.05
Net-(D72-DOUT): length 17.2
  Bottom w0.2: 33.56,28 41.58,36.02 47.41,36.02
Net-(D73-DOUT): length 16.1
  Bottom w0.2: 211.6,100.34 203.52,100.34 D73.2
Net-(D74-DIN): length 16.1
  Bottom w0.2: D74.3 198.69,75.64 200.62,77.58 207.89,77.58 211.6,81.29
Net-(D75-DOUT): length 16.2
  Bottom w0.2: 211.6,62.24 203.39,62.24 197.75,56.59
Net-(D76-DIN): length 16.2
  Bottom w0.2: 197.75,37.54 199.51,37.54 205.15,43.19 211.6,43.19
Net-(D77-DOUT): length 13.9
  Bottom w0.2: 199.9,16.65 213.8,17.58
Net-(D78-DIN): length 15.2
  Bottom w0.2: 52.61,94.67 61.13,95.13 66.16,99.57
Net-(D79-DOUT): length 17.1
  Bottom w0.2: D88.3 66.33,80.33 60.83,74.83 58.33,74.83 57.54,75.62 D79.2
Net-(D80-DIN): length 18.6
  Bottom w0.2: 66.46,62.22 66.46,60.65 60.23,54.43 54.99,54.43 52.84,56.57
Net-(D81-DOUT): length 16.2
  Bottom w0.2: 52.61,37.52 58.25,43.17 66.46,43.17
Net-(D82-DOUT): length 17.4
  Bottom w0.2: 230.65,93.19 228.73,93.19 220.08,101.84 216.8,101.84
Net-(D83-DIN): length 17.2
  Bottom w0.2: D83.3 218.82,82.79 227.46,74.14 D93.2
